# Altium PCB STM32F7_CoreBoard.PcbDoc (part 5 of 8) (continued)
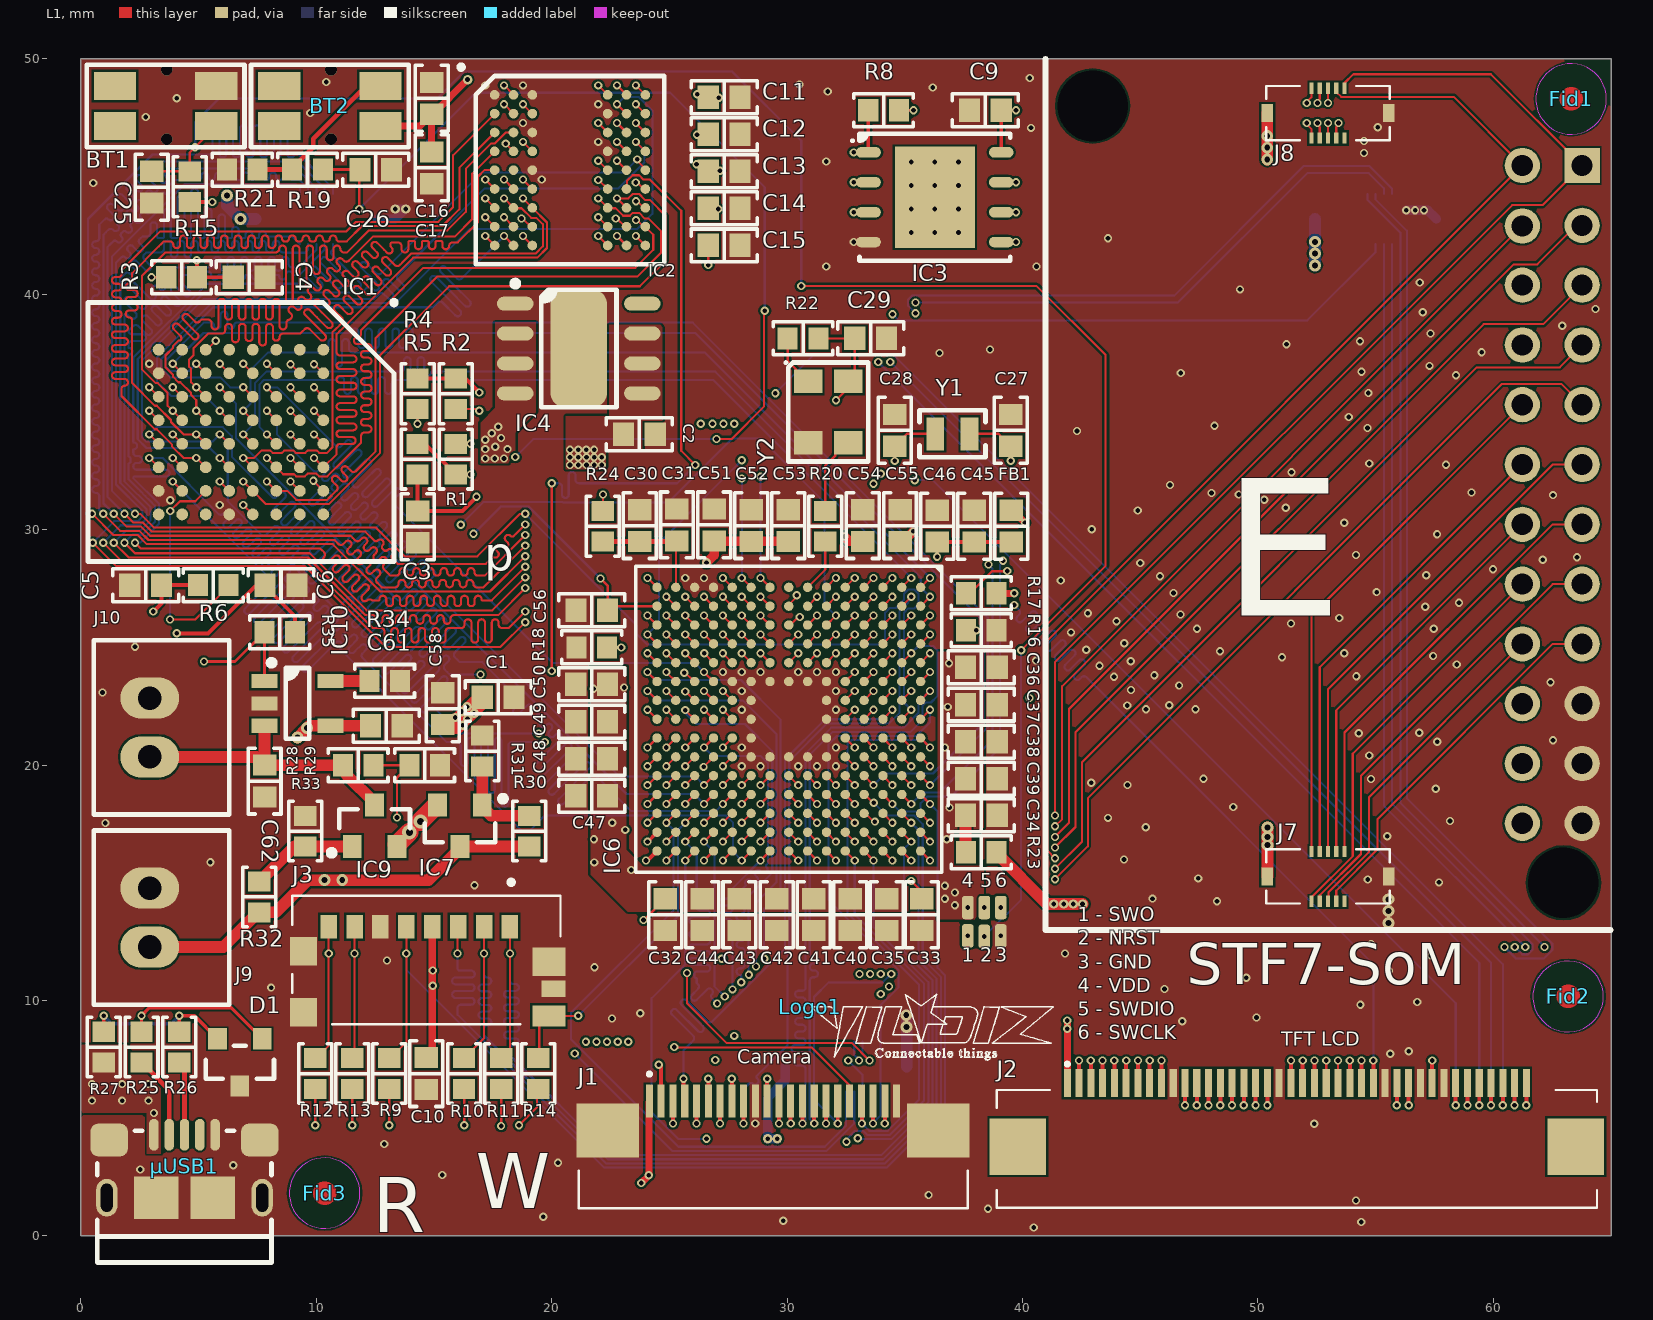
[diagram p0: L1 view]
## Nets (pads, with @x,y where several pads share a name; then routed paths per layer and width w, separated by ;. In a path a pad name is that pad's centre, name@x,y a point inside that pad or via, vN(x,y) a via of type N, cw(c..) or ccw(c..) an arc to the next point about the centre after c; other vN are vias at no path point) (continued)
FMC_NWAIT: IC1.A4 IC6.B11 R2.1 | length 59.3
  L1 w0.089: v1(9.9,35.05) IC1.A4@10.3,34.65 ; R2.1@15.925,35.125 16.85,35.125 v1(16.925,35.05) ; IC6.B11@34.87,19.552 v1(35.27,19.152)
  L3 w0.089: v1(9.9,35.05) 10.044,35.05 10.189,35.05 cw(c10.189,34.906) 10.333,34.906 10.333,34.564 ccw(c10.478,34.564) 10.478,34.419 ccw(c10.478,34.564) 10.622,34.564 10.622,35.05 10.622,35.911 cw(c10.767,35.911) 10.767,36.056 cw(c10.767,35.911) 10.911,35.911 10.911,35.05 10.911,34.564 ccw(c11.056,34.564) 11.056,34.419 ccw(c11.056,34.564) 11.2,34.564 11.2,35.05 11.2,35.911 cw(c11.344,35.911) 11.344,36.056 cw(c11.344,35.911) 11.489,35.911 11.489,35.05 11.489,34.564 ccw(c11.633,34.564) 11.633,34.419 ccw(c11.633,34.564) 11.778,34.564 11.778,35.05 11.778,35.911 cw(c11.922,35.911) 11.922,36.056 cw(c11.922,35.911) 12.067,35.911 12.067,35.05 12.067,34.564 ccw(c12.211,34.564) 12.211,34.419 ccw(c12.211,34.564) 12.356,34.564 12.356,35.05 12.356,35.911 cw(c12.5,35.911) 12.5,36.056 cw(c12.5,35.911) 12.645,35.911 12.645,35.05 12.645,34.564 ccw(c12.789,34.564) 12.789,34.419 ccw(c12.789,34.564) 12.933,34.564 12.933,35.05 12.933,35.911 cw(c13.078,35.911) 13.078,36.056 cw(c13.078,35.911) 13.222,35.911 13.222,35.05 13.222,34.564 ccw(c13.367,34.564) 13.367,34.419 ccw(c13.367,34.564) 13.511,34.564 13.511,35.05 13.511,35.911 cw(c13.656,35.911) 13.656,36.056 cw(c13.656,35.911) 13.8,35.911 13.8,35.194 ccw(c13.945,35.194) 13.945,35.05 14.015,35.05 27.888,35.05 28.561,34.376 28.561,26.226 28.926,25.861 29.339,25.861 30,25.2 30,22.193 30.56,21.633 33.492,21.633 33.979,21.146 33.979,20.671 34.212,20.438 34.627,20.438 34.82,20.246 34.82,19.602 v1(35.27,19.152)
FMC_NWE: IC1.A5 IC6.C10 R1.1 | length 59.2
  L1 w0.089: v1(9.9,34.05) IC1.A5@10.3,33.65 ; IC6.C10@34.07,20.352 v1(34.47,19.952)
  L1 w0.1: R1.1@15.927,33.652 v1(16.55,33.652)
  L3 w0.089: v1(9.9,34.05) 9.926,34.024 16.178,34.024 v1(16.55,33.652) 17.748,34.85 17.892,34.85 18.036,34.85 cw(c18.036,34.706) 18.181,34.706 18.181,33.914 ccw(c18.325,33.914) 18.325,33.769 ccw(c18.325,33.914) 18.47,33.914 18.47,34.706 cw(c18.614,34.706) 18.614,34.85 cw(c18.614,34.706) 18.759,34.706 18.759,33.914 ccw(c18.903,33.914) 18.903,33.769 ccw(c18.903,33.914) 19.048,33.914 19.048,34.706 cw(c19.192,34.706) 19.192,34.85 cw(c19.192,34.706) 19.337,34.706 19.337,33.914 ccw(c19.481,33.914) 19.481,33.769 ccw(c19.481,33.914) 19.625,33.914 19.625,34.706 cw(c19.77,34.706) 19.77,34.85 cw(c19.77,34.706) 19.914,34.706 19.914,33.914 ccw(c20.059,33.914) 20.059,33.769 ccw(c20.059,33.914) 20.203,33.914 20.203,34.706 cw(c20.348,34.706) 20.348,34.85 cw(c20.348,34.706) 20.492,34.706 20.492,33.914 ccw(c20.637,33.914) 20.637,33.769 ccw(c20.637,33.914) 20.781,33.914 20.781,34.706 cw(c20.925,34.706) 20.925,34.85 cw(c20.925,34.706) 21.07,34.706 21.07,33.914 ccw(c21.214,33.914) 21.214,33.769 ccw(c21.214,33.914) 21.359,33.914 21.359,34.706 cw(c21.503,34.706) 21.503,34.85 cw(c21.503,34.706) 21.648,34.706 21.648,33.914 ccw(c21.792,33.914) 21.792,33.769 ccw(c21.792,33.914) 21.937,33.914 21.937,34.706 cw(c22.081,34.706) 22.081,34.85 cw(c22.081,34.706) 22.226,34.706 22.226,33.914 ccw(c22.37,33.914) 22.37,33.769 ccw(c22.37,33.914) 22.514,33.914 22.514,34.706 cw(c22.659,34.706) 22.659,34.85 cw(c22.659,34.706) 22.803,34.706 22.803,33.914 ccw(c22.948,33.914) 22.948,33.769 ccw(c22.948,33.914) 23.092,33.914 23.092,34.706 cw(c23.237,34.706) 23.237,34.85 cw(c23.237,34.706) 23.381,34.706 23.381,33.914 ccw(c23.526,33.914) 23.526,33.769 ccw(c23.526,33.914) 23.67,33.914 23.67,34.706 cw(c23.814,34.706) 23.814,34.85 23.925,34.85 27.836,34.85 28.383,34.303 28.383,25.604 28.742,25.244 29.159,25.244 29.822,24.582 29.822,21.559 31.121,20.261 34.162,20.261 v1(34.47,19.952)
FMC_SDCKE0: IC4.F3 IC6.K4 | length 39.8
  L1 w0.089: v1(18.775,44.875) IC4.F3@19.175,44.475 ; v1(28.07,25.553) IC6.K4@28.47,25.153
  L4 w0.089: v1(18.775,44.875) 19.883,43.767 22.883,43.767 23.15,43.5 23.15,43.05 23.356,42.844 23.79,42.844 24.175,42.459 24.175,42.325 ccw(c24.319,42.325) 24.319,42.181 24.578,42.181 cw(c24.578,42.036) 24.722,42.036 cw(c24.578,42.036) 24.578,41.892 24.175,41.892 23.514,41.892 ccw(c23.514,41.747) 23.369,41.747 ccw(c23.514,41.747) 23.514,41.603 24.031,41.603 cw(c24.031,41.458) 24.175,41.458 cw(c24.031,41.458) 24.031,41.314 23.514,41.314 ccw(c23.514,41.169) 23.369,41.169 ccw(c23.514,41.169) 23.514,41.025 24.031,41.025 cw(c24.031,40.881) 24.175,40.881 cw(c24.031,40.881) 24.031,40.736 23.514,40.736 ccw(c23.514,40.592) 23.369,40.592 ccw(c23.514,40.592) 23.514,40.447 24.031,40.447 cw(c24.031,40.303) 24.175,40.303 cw(c24.031,40.303) 24.031,40.158 23.514,40.158 ccw(c23.514,40.014) 23.369,40.014 ccw(c23.514,40.014) 23.514,39.869 24.031,39.869 cw(c24.031,39.725) 24.175,39.725 cw(c24.031,39.725) 24.031,39.58 23.514,39.58 ccw(c23.514,39.436) 23.369,39.436 ccw(c23.514,39.436) 23.514,39.292 24.031,39.292 cw(c24.031,39.147) 24.175,39.147 cw(c24.031,39.147) 24.031,39.003 23.514,39.003 ccw(c23.514,38.858) 23.369,38.858 ccw(c23.514,38.858) 23.514,38.714 24.031,38.714 cw(c24.031,38.569) 24.175,38.569 cw(c24.031,38.569) 24.031,38.425 23.514,38.425 ccw(c23.514,38.28) 23.369,38.28 ccw(c23.514,38.28) 23.514,38.136 24.031,38.136 cw(c24.031,37.992) 24.175,37.992 cw(c24.031,37.992) 24.031,37.847 23.514,37.847 ccw(c23.514,37.703) 23.369,37.703 ccw(c23.514,37.703) 23.514,37.558 24.031,37.558 cw(c24.031,37.414) 24.175,37.414 cw(c24.031,37.414) 24.031,37.269 23.514,37.269 ccw(c23.514,37.125) 23.369,37.125 ccw(c23.514,37.125) 23.514,36.98 24.031,36.98 cw(c24.031,36.836) 24.175,36.836 24.175,36.691 24.175,36.403 24.175,36.3 24.175,36.156 24.175,36 24.175,32.284 28.379,28.081 28.379,25.861 v1(28.07,25.553)
FMC_SDCLK: IC4.F2 IC6.H14 | length 39.7
  L1 w0.089: v1(17.975,44.875) IC4.F2@18.375,44.475 ; IC6.H14@30.07,17.152 v1(30.47,16.752)
  L4 w0.089: v1(17.975,44.875) 18.283,45.183 23.602,45.183 23.704,45.081 23.908,44.877 ccw(c23.976,44.81) 23.908,44.742 23.978,44.673 ccw(c24.045,44.74) 24.113,44.673 24.524,45.084 cw(c24.626,44.982) 24.728,45.084 cw(c24.626,44.982) 24.728,44.88 24.419,44.571 ccw(c24.521,44.468) 24.419,44.366 24.521,44.264 24.543,44.243 26.031,42.754 26.031,41.789 26.023,41.781 26.023,41.3 26.031,41.291 26.031,41.212 26.023,41.212 26.023,40.722 26.031,40.714 26.031,40.634 26.023,40.634 26.023,40.144 26.031,40.136 26.031,40.056 26.023,40.056 26.023,39.566 26.031,39.558 26.031,39.478 26.023,39.478 26.023,38.9 26.031,38.9 26.031,38.323 26.023,38.323 26.023,37.833 26.031,37.825 26.031,37.745 26.023,37.745 26.023,37.255 26.031,37.247 26.031,37.167 26.023,37.167 26.023,36.677 26.031,36.669 26.031,36.589 26.023,36.589 26.023,36.099 26.031,36.091 26.031,36.011 26.023,36.011 26.023,35.911 26.017,35.904 26.017,33.307 29.839,29.485 29.839,17.383 v1(30.47,16.752)
FMC_SDNCAS: IC4.F7 IC6.B7 | length 39.8
  L1 w0.089: v1(21.976,44.852) 21.998,44.852 IC4.F7@22.375,44.475 ; IC6.B7@34.87,22.752 v1(35.27,23.152)
  L3 w0.089: v1(21.976,44.852) 22.307,45.183 24.817,45.183 24.919,45.081 25.021,44.979 cw(c24.919,44.877) 25.021,44.775 24.982,44.736 ccw(c25.084,44.633) 24.982,44.531 ccw(c25.084,44.633) 25.186,44.531 25.327,44.673 25.331,44.677 cw(c25.433,44.574) 25.536,44.677 cw(c25.433,44.574) 25.536,44.472 25.532,44.468 25.39,44.327 ccw(c25.492,44.225) 25.39,44.123 ccw(c25.492,44.225) 25.595,44.123 25.736,44.264 25.74,44.268 cw(c25.842,44.166) 25.944,44.268 cw(c25.842,44.166) 25.944,44.064 25.94,44.06 25.799,43.918 ccw(c25.901,43.816) 25.799,43.714 ccw(c25.901,43.816) 26.003,43.714 26.144,43.856 26.148,43.859 cw(c26.251,43.757) 26.353,43.859 cw(c26.251,43.757) 26.353,43.655 26.349,43.651 26.207,43.51 ccw(c26.31,43.408) 26.207,43.306 ccw(c26.31,43.408) 26.412,43.306 26.553,43.447 26.557,43.451 cw(c26.659,43.349) 26.761,43.451 cw(c26.659,43.349) 26.761,43.247 26.757,43.243 26.616,43.101 ccw(c26.718,42.999) 26.616,42.897 ccw(c26.718,42.999) 26.82,42.897 26.962,43.038 26.966,43.042 cw(c27.068,42.94) 27.17,43.042 cw(c27.068,42.94) 27.17,42.838 27.166,42.834 27.024,42.693 ccw(c27.127,42.591) 27.024,42.488 ccw(c27.127,42.591) 27.229,42.488 27.268,42.528 cw(c27.37,42.426) 27.472,42.528 27.487,42.513 39.792,30.208 39.792,30.172 40.325,29.639 40.325,26.497 37.38,23.552 35.67,23.552 v1(35.27,23.152)
FMC_SDNE0: IC4.G9 IC6.J4 | length 39.8
  L1 w0.089: v1(23.576,43.952) 23.637,43.952 23.914,43.675 IC4.G9@23.975,43.675 ; v1(28.87,25.553) IC6.J4@29.27,25.153
  L4 w0.089: v1(23.576,43.952) 23.789,43.739 23.918,43.61 ccw(c23.974,43.554) 23.918,43.498 24.01,43.406 ccw(c24.066,43.462) 24.122,43.406 24.512,43.796 cw(c24.615,43.694) 24.717,43.796 cw(c24.615,43.694) 24.717,43.592 24.326,43.202 ccw(c24.383,43.146) 24.326,43.089 24.418,42.998 ccw(c24.474,43.054) 24.531,42.998 24.921,43.388 cw(c25.023,43.286) 25.125,43.388 cw(c25.023,43.286) 25.125,43.184 24.735,42.793 ccw(c24.791,42.737) 24.735,42.681 24.827,42.589 ccw(c24.883,42.645) 24.939,42.589 25.33,42.979 cw(c25.432,42.877) 25.534,42.979 cw(c25.432,42.877) 25.534,42.775 25.246,42.487 ccw(c25.348,42.385) 25.246,42.283 25.348,42.18 25.45,42.078 ccw(c25.594,42.078) 25.594,41.934 25.694,41.934 cw(c25.694,41.789) 25.839,41.789 cw(c25.694,41.789) 25.694,41.645 25.45,41.645 25.222,41.645 ccw(c25.222,41.5) 25.078,41.5 ccw(c25.222,41.5) 25.222,41.356 25.45,41.356 25.694,41.356 cw(c25.694,41.212) 25.839,41.212 cw(c25.694,41.212) 25.694,41.067 25.45,41.067 25.222,41.067 ccw(c25.222,40.923) 25.078,40.923 ccw(c25.222,40.923) 25.222,40.778 25.45,40.778 25.694,40.778 cw(c25.694,40.634) 25.839,40.634 cw(c25.694,40.634) 25.694,40.489 25.45,40.489 25.222,40.489 ccw(c25.222,40.345) 25.078,40.345 ccw(c25.222,40.345) 25.222,40.2 25.45,40.2 25.694,40.2 cw(c25.694,40.056) 25.839,40.056 cw(c25.694,40.056) 25.694,39.912 25.45,39.912 25.222,39.912 ccw(c25.222,39.767) 25.078,39.767 ccw(c25.222,39.767) 25.222,39.623 25.45,39.623 25.694,39.623 cw(c25.694,39.478) 25.839,39.478 cw(c25.694,39.478) 25.694,39.334 25.45,39.334 25.222,39.334 ccw(c25.222,39.189) 25.078,39.189 ccw(c25.222,39.189) 25.222,39.045 25.45,39.045 25.694,39.045 cw(c25.694,38.9) 25.839,38.9 cw(c25.694,38.9) 25.694,38.756 25.45,38.756 25.222,38.756 ccw(c25.222,38.612) 25.078,38.612 ccw(c25.222,38.612) 25.222,38.467 25.45,38.467 25.694,38.467 cw(c25.694,38.323) 25.839,38.323 cw(c25.694,38.323) 25.694,38.178 25.45,38.178 25.222,38.178 ccw(c25.222,38.034) 25.078,38.034 ccw(c25.222,38.034) 25.222,37.889 25.45,37.889 25.694,37.889 cw(c25.694,37.745) 25.839,37.745 cw(c25.694,37.745) 25.694,37.6 25.45,37.6 25.222,37.6 ccw(c25.222,37.456) 25.078,37.456 ccw(c25.222,37.456) 25.222,37.311 25.45,37.311 25.694,37.311 cw(c25.694,37.167) 25.839,37.167 cw(c25.694,37.167) 25.694,37.023 25.45,37.023 25.222,37.023 ccw(c25.222,36.878) 25.078,36.878 ccw(c25.222,36.878) 25.222,36.734 25.45,36.734 25.694,36.734 cw(c25.694,36.589) 25.839,36.589 cw(c25.694,36.589) 25.694,36.445 25.45,36.445 25.222,36.445 ccw(c25.222,36.3) 25.078,36.3 ccw(c25.222,36.3) 25.222,36.156 25.45,36.156 25.694,36.156 cw(c25.694,36.011) 25.839,36.011 cw(c25.694,36.011) 25.694,35.867 25.45,35.867 25.222,35.867 ccw(c25.222,35.723) 25.078,35.723 ccw(c25.222,35.723) 25.222,35.578 25.306,35.578 cw(c25.306,35.434) 25.45,35.434 25.45,35.35 25.45,32.897 29.179,29.168 29.179,25.861 v1(28.87,25.553)
FMC_SDNRAS: IC4.F8 IC6.P8 | length 36.8
  L1 w0.089: v1@20,24.002 v1(20,31.975) ; IC4.F8@23.175,44.475 23.192,44.492 23.192,44.813 23.436,45.058 23.714,45.058 23.892,44.88 24.17,44.88 25.5,43.55 25.5,33.35 v1(26.1,32.75) ; v1(24.87,22.352) IC6.P8@25.27,21.952
  L3 w0.089: v1(20.001,24.001) 20.025,24.001 21.273,22.752 24.47,22.752 v1(24.87,22.352)
  L6 w0.089: v1(20,31.975) 20.144,31.975 20.289,31.975 cw(c20.289,31.831) 20.433,31.831 20.433,31.494 ccw(c20.578,31.494) 20.578,31.35 ccw(c20.578,31.494) 20.722,31.494 20.722,31.975 20.722,32.307 cw(c20.867,32.307) 20.867,32.451 cw(c20.867,32.307) 21.011,32.307 21.011,32.119 ccw(c21.156,32.119) 21.156,31.975 21.25,31.975 25.325,31.975 v1(26.1,32.75)
FMC_SDNWE: IC4.F9 IC6.M2 | length 39.9
  L1 w0.089: v1(23.564,44.75) 23.632,44.75 23.907,44.475 IC4.F9@23.975,44.475 ; v1(26.47,27.153) IC6.M2@26.87,26.753
  L4 w0.089: v1(23.564,44.75) 23.564,44.74 23.15,44.326 23.15,43.775 23.281,43.644 23.521,43.644 24.9,42.264 24.9,42.248 24.9,41.959 cw(c24.9,41.865) 24.994,41.865 24.994,41.763 cw(c24.9,41.763) 24.9,41.67 24.492,41.67 ccw(c24.492,41.525) 24.348,41.525 ccw(c24.492,41.525) 24.492,41.381 24.756,41.381 cw(c24.756,41.236) 24.9,41.236 cw(c24.756,41.236) 24.756,41.092 24.492,41.092 ccw(c24.492,40.947) 24.348,40.947 ccw(c24.492,40.947) 24.492,40.803 24.756,40.803 cw(c24.756,40.659) 24.9,40.659 cw(c24.756,40.659) 24.756,40.514 24.492,40.514 ccw(c24.492,40.37) 24.348,40.37 ccw(c24.492,40.37) 24.492,40.225 24.756,40.225 cw(c24.756,40.081) 24.9,40.081 cw(c24.756,40.081) 24.756,39.936 24.492,39.936 ccw(c24.492,39.792) 24.348,39.792 ccw(c24.492,39.792) 24.492,39.647 24.756,39.647 cw(c24.756,39.503) 24.9,39.503 cw(c24.756,39.503) 24.756,39.359 24.492,39.359 ccw(c24.492,39.214) 24.348,39.214 ccw(c24.492,39.214) 24.492,39.07 24.756,39.07 cw(c24.756,38.925) 24.9,38.925 cw(c24.756,38.925) 24.756,38.781 24.492,38.781 ccw(c24.492,38.636) 24.348,38.636 ccw(c24.492,38.636) 24.492,38.492 24.756,38.492 cw(c24.756,38.347) 24.9,38.347 cw(c24.756,38.347) 24.756,38.203 24.492,38.203 ccw(c24.492,38.058) 24.348,38.058 ccw(c24.492,38.058) 24.492,37.914 24.756,37.914 cw(c24.756,37.77) 24.9,37.77 cw(c24.756,37.77) 24.756,37.625 24.492,37.625 ccw(c24.492,37.481) 24.348,37.481 ccw(c24.492,37.481) 24.492,37.336 24.756,37.336 cw(c24.756,37.192) 24.9,37.192 cw(c24.756,37.192) 24.756,37.047 24.492,37.047 ccw(c24.492,36.903) 24.348,36.903 ccw(c24.492,36.903) 24.492,36.758 24.756,36.758 cw(c24.756,36.614) 24.9,36.614 cw(c24.756,36.614) 24.756,36.47 24.497,36.47 ccw(c24.497,36.325) 24.353,36.325 ccw(c24.497,36.325) 24.497,36.181 24.756,36.181 cw(c24.756,36.036) 24.9,36.036 cw(c24.756,36.036) 24.756,35.892 24.497,35.892 ccw(c24.497,35.747) 24.353,35.747 ccw(c24.497,35.747) 24.497,35.603 24.756,35.603 cw(c24.756,35.458) 24.9,35.458 cw(c24.756,35.458) 24.756,35.314 24.497,35.314 ccw(c24.497,35.169) 24.353,35.169 ccw(c24.497,35.169) 24.497,35.025 24.9,35.025 25.128,35.025 cw(c25.128,34.881) 25.272,34.881 cw(c25.128,34.881) 25.128,34.736 24.9,34.736 24.497,34.736 ccw(c24.497,34.592) 24.353,34.592 ccw(c24.497,34.592) 24.497,34.447 24.9,34.447 25.128,34.447 cw(c25.128,34.303) 25.272,34.303 cw(c25.128,34.303) 25.128,34.158 24.9,34.158 24.497,34.158 ccw(c24.497,34.014) 24.353,34.014 ccw(c24.497,34.014) 24.497,33.869 24.756,33.869 cw(c24.756,33.725) 24.9,33.725 24.9,32.471 28.562,28.809 28.562,25.608 28.198,25.244 27.942,25.244 27.756,25.431 27.756,26.303 27.398,26.661 26.962,26.661 v1(26.47,27.153)
G0: IC6.J12 J2.18 | length 47.1
  L1 w0.089: v1(28.87,18.352) IC6.J12@29.27,18.752
  L1 w0.169: v1(50.4,5.55) J2.18@50.4,6.5
  L3 w0.089: v1(28.87,18.352) 29.179,18.044 29.179,13.577 30.317,12.439 34.061,12.439 35.089,11.411 35.089,10.425 33.986,9.322 33.986,6.49 33.866,6.37 33.67,6.37 33.6,6.44 33.6,6.66 33.52,6.74 33.38,6.74 33.31,6.67 33.31,5.477 33.258,5.425 33.077,5.425 32.992,5.509 32.992,6.678 32.92,6.75 32.732,6.75 32.68,6.698 32.68,5.51 32.57,5.4 32.4,5.4 32.3,5.5 32.3,6.67 32.22,6.75 32.01,6.75 31.9,6.64 31.9,5.325 32.125,5.1 34.436,5.1 34.643,4.893 34.643,4.56 35.028,4.175 49.025,4.175 v1(50.4,5.55)
G1: IC6.H12 J2.17 | length 46.9
  L1 w0.089: IC6.H12@30.07,18.752 v1(30.47,18.352)
  L1 w0.169: v1(49.9,5.55) J2.17@49.9,6.5
  L3 w0.089: v1(30.47,18.352) 29.356,17.238 29.356,13.914 29.458,13.812 29.633,13.637 cw(c29.604,13.607) 29.633,13.578 ccw(c29.736,13.476) 29.633,13.374 ccw(c29.736,13.476) 29.838,13.374 29.867,13.403 29.934,13.47 cw(c30.036,13.368) 30.138,13.47 cw(c30.036,13.368) 30.138,13.266 30.071,13.199 30.042,13.169 ccw(c30.144,13.067) 30.042,12.965 ccw(c30.144,13.067) 30.246,12.965 30.276,12.995 30.342,13.061 cw(c30.444,12.959) 30.547,13.061 cw(c30.444,12.959) 30.547,12.857 ccw(c30.613,12.79) 30.547,12.724 30.653,12.617 30.725,12.617 30.728,12.617 ccw(c30.728,12.758) 30.869,12.758 cw(c31.014,12.758) 31.014,12.902 cw(c31.014,12.758) 31.158,12.758 ccw(c31.299,12.758) 31.299,12.617 31.303,12.617 ccw(c31.303,12.761) 31.447,12.761 cw(c31.592,12.761) 31.592,12.905 cw(c31.592,12.761) 31.736,12.761 ccw(c31.88,12.761) 31.88,12.617 ccw(c31.881,12.761) 32.025,12.761 cw(c32.169,12.761) 32.169,12.905 cw(c32.169,12.761) 32.314,12.761 32.314,12.728 ccw(c32.425,12.728) 32.425,12.617 33.15,12.617 33.271,12.617 ccw(c33.271,12.758) 33.412,12.758 cw(c33.557,12.758) 33.557,12.902 cw(c33.557,12.758) 33.701,12.758 ccw(c33.842,12.758) 33.842,12.617 33.99,12.617 34.135,12.617 35.275,11.476 35.275,10.36 34.18,9.265 34.18,9.12 34.18,8.831 34.18,8.687 ccw(c34.324,8.687) 34.324,8.542 34.761,8.542 cw(c34.761,8.398) 34.906,8.398 cw(c34.761,8.398) 34.761,8.253 34.324,8.253 ccw(c34.324,8.109) 34.18,8.109 ccw(c34.324,8.109) 34.324,7.965 34.761,7.965 cw(c34.761,7.82) 34.906,7.82 cw(c34.761,7.82) 34.761,7.676 34.324,7.676 ccw(c34.324,7.531) 34.18,7.531 ccw(c34.324,7.531) 34.324,7.387 34.761,7.387 cw(c34.761,7.242) 34.906,7.242 cw(c34.761,7.242) 34.761,7.098 34.324,7.098 ccw(c34.324,6.953) 34.18,6.953 ccw(c34.324,6.953) 34.324,6.809 34.761,6.809 cw(c34.761,6.664) 34.906,6.664 cw(c34.761,6.664) 34.761,6.52 34.324,6.52 ccw(c34.324,6.376) 34.18,6.376 34.18,6.231 34.18,6.16 34.18,5.98 34.2,5.96 34.302,5.858 34.404,5.756 cw(c34.302,5.654) 34.404,5.551 34.375,5.522 ccw(c34.477,5.42) 34.375,5.317 ccw(c34.477,5.42) 34.579,5.317 34.711,5.449 34.971,5.709 cw(c35.073,5.607) 35.175,5.709 cw(c35.073,5.607) 35.175,5.505 34.915,5.245 34.822,5.152 ccw(c34.924,5.05) 34.822,4.948 ccw(c34.924,5.05) 35.026,4.948 35.119,5.041 35.379,5.301 cw(c35.481,5.199) 35.583,5.301 cw(c35.481,5.199) 35.583,5.096 35.324,4.836 35.086,4.599 ccw(c35.188,4.497) 35.086,4.395 ccw(c35.188,4.497) 35.291,4.395 35.426,4.53 cw(c35.528,4.428) 35.63,4.53 35.64,4.52 35.807,4.353 48.703,4.353 v1(49.9,5.55)
G2: IC6.E12 J2.16 | length 47
  L1 w0.089: IC6.E12@32.47,18.752 v1(32.87,18.352)
  L1 w0.169: v1(49.4,5.55) J2.16@49.4,6.5
  L3 w0.089: v1(32.87,18.352) 32.562,18.044 30.526,18.044 29.534,17.052 29.534,14.325 30.451,13.408 30.553,13.306 30.757,13.102 30.779,13.08 30.924,13.08 31.068,13.08 ccw(c31.068,13.224) 31.213,13.224 31.213,13.601 cw(c31.357,13.601) 31.357,13.746 cw(c31.357,13.601) 31.502,13.601 31.502,13.224 ccw(c31.646,13.224) 31.646,13.08 ccw(c31.646,13.224) 31.79,13.224 31.79,13.601 cw(c31.935,13.601) 31.935,13.746 cw(c31.935,13.601) 32.079,13.601 32.079,13.224 ccw(c32.224,13.224) 32.224,13.08 ccw(c32.224,13.224) 32.368,13.224 32.368,13.601 cw(c32.513,13.601) 32.513,13.746 cw(c32.513,13.601) 32.657,13.601 32.657,13.08 32.657,12.999 ccw(c32.802,12.999) 32.802,12.855 ccw(c32.802,12.999) 32.946,12.999 32.946,13.08 32.946,13.601 cw(c33.09,13.601) 33.09,13.746 cw(c33.09,13.601) 33.235,13.601 33.235,13.224 ccw(c33.379,13.224) 33.379,13.08 33.923,13.08 35.458,11.545 35.458,11.415 35.458,11.126 35.458,10.95 ccw(c35.571,10.95) 35.571,10.837 cw(c35.571,10.692) 35.716,10.692 cw(c35.571,10.692) 35.571,10.548 ccw(c35.571,10.435) 35.458,10.435 35.458,10.372 ccw(c35.571,10.372) 35.571,10.259 cw(c35.571,10.115) 35.716,10.115 cw(c35.571,10.115) 35.571,9.97 35.458,9.97 35.387,9.97 ccw(c35.387,9.826) 35.242,9.826 ccw(c35.387,9.826) 35.387,9.681 35.458,9.681 35.571,9.681 cw(c35.571,9.537) 35.716,9.537 cw(c35.571,9.537) 35.571,9.392 ccw(c35.571,9.28) 35.458,9.28 35.458,9.216 ccw(c35.571,9.216) 35.571,9.103 cw(c35.571,8.959) 35.716,8.959 cw(c35.571,8.959) 35.571,8.815 ccw(c35.571,8.702) 35.458,8.702 35.458,8.638 ccw(c35.571,8.638) 35.571,8.526 cw(c35.571,8.381) 35.716,8.381 cw(c35.571,8.381) 35.571,8.237 35.458,8.237 35.14,8.237 ccw(c35.14,8.092) 34.996,8.092 ccw(c35.14,8.092) 35.14,7.948 35.458,7.948 35.571,7.948 cw(c35.571,7.803) 35.716,7.803 cw(c35.571,7.803) 35.571,7.659 35.458,7.659 35.14,7.659 ccw(c35.14,7.514) 34.996,7.514 ccw(c35.14,7.514) 35.14,7.37 35.458,7.37 35.571,7.37 cw(c35.571,7.226) 35.716,7.226 cw(c35.571,7.226) 35.571,7.081 35.458,7.081 35.14,7.081 ccw(c35.14,6.937) 34.996,6.937 ccw(c35.14,6.937) 35.14,6.792 35.458,6.792 35.571,6.792 cw(c35.571,6.648) 35.716,6.648 cw(c35.571,6.648) 35.571,6.503 35.458,6.503 35.114,6.503 ccw(c35.114,6.359) 34.969,6.359 ccw(c35.114,6.359) 35.114,6.214 35.314,6.214 cw(c35.314,6.07) 35.458,6.07 35.458,5.698 36.626,4.53 48.38,4.53 v1(49.4,5.55)
G3: IC6.H13 J2.15 | length 46.5
  L1 w0.089: IC6.H13@30.07,17.952 v1(30.47,17.552)
  L1 w0.169: v1(48.9,5.55) J2.15@48.9,6.5
  L3 w0.089: v1(30.47,17.552) 29.984,17.066 29.984,15.75 30.086,15.648 30.188,15.546 cw(c30.086,15.444) 30.188,15.342 29.754,14.908 ccw(c29.856,14.806) 29.754,14.703 ccw(c29.856,14.806) 29.958,14.703 30.393,15.137 cw(c30.495,15.035) 30.597,15.137 cw(c30.495,15.035) 30.597,14.933 29.989,14.326 ccw(c30.091,14.223) 29.989,14.121 ccw(c30.091,14.223) 30.194,14.121 30.801,14.729 cw(c30.903,14.627) 31.005,14.729 31.108,14.627 31.123,14.611 31.19,14.611 ccw(c31.19,14.756) 31.334,14.756 31.334,14.774 cw(c31.479,14.774) 31.479,14.919 cw(c31.479,14.774) 31.623,14.774 31.623,14.611 31.623,14.064 ccw(c31.768,14.064) 31.768,13.919 ccw(c31.768,14.064) 31.912,14.064 31.912,14.611 31.912,14.774 cw(c32.057,14.774) 32.057,14.919 cw(c32.057,14.774) 32.201,14.774 32.201,14.756 ccw(c32.346,14.756) 32.346,14.611 32.49,14.611 32.643,14.611 35.912,11.342 35.912,11.198 35.912,10.909 35.912,10.764 ccw(c36.057,10.764) 36.057,10.62 36.438,10.62 cw(c36.438,10.475) 36.582,10.475 cw(c36.438,10.475) 36.438,10.331 36.057,10.331 ccw(c36.057,10.186) 35.912,10.186 ccw(c36.057,10.186) 36.057,10.042 36.438,10.042 cw(c36.438,9.898) 36.582,9.898 cw(c36.438,9.898) 36.438,9.753 36.057,9.753 ccw(c36.057,9.609) 35.912,9.609 ccw(c36.057,9.609) 36.057,9.464 36.438,9.464 cw(c36.438,9.32) 36.582,9.32 cw(c36.438,9.32) 36.438,9.175 36.057,9.175 ccw(c36.057,9.031) 35.912,9.031 ccw(c36.057,9.031) 36.057,8.886 36.438,8.886 cw(c36.438,8.742) 36.582,8.742 cw(c36.438,8.742) 36.438,8.598 36.057,8.598 ccw(c36.057,8.453) 35.912,8.453 ccw(c36.057,8.453) 36.057,8.309 36.438,8.309 cw(c36.438,8.164) 36.582,8.164 cw(c36.438,8.164) 36.438,8.02 36.057,8.02 ccw(c36.057,7.875) 35.912,7.875 ccw(c36.057,7.875) 36.057,7.731 36.438,7.731 cw(c36.438,7.586) 36.582,7.586 cw(c36.438,7.586) 36.438,7.442 36.057,7.442 ccw(c36.057,7.297) 35.912,7.297 ccw(c36.057,7.297) 36.057,7.153 36.438,7.153 cw(c36.438,7.009) 36.582,7.009 cw(c36.438,7.009) 36.438,6.864 36.057,6.864 ccw(c36.057,6.72) 35.912,6.72 35.912,6.575 35.912,6.286 35.912,6.118 36.014,6.016 36.117,5.913 ccw(c36.219,6.016) 36.321,5.913 36.536,6.128 cw(c36.638,6.026) 36.74,6.128 cw(c36.638,6.026) 36.74,5.924 36.423,5.607 36.214,5.398 ccw(c36.316,5.296) 36.214,5.194 ccw(c36.316,5.296) 36.418,5.194 36.627,5.403 36.944,5.72 cw(c37.047,5.618) 37.149,5.72 cw(c37.047,5.618) 37.149,5.516 36.934,5.301 ccw(c37.036,5.198) 36.934,5.096 36.985,5.045 37.322,4.708 48.058,4.708 v1(48.9,5.55)
G4: IC6.D13 J2.14 | length 46.9
  L1 w0.089: IC6.D13@33.27,17.952 33.323,17.952 33.674,17.601 v1(33.727,17.601)
  L1 w0.169: v1(48.4,5.55) J2.14@48.4,6.5
  L3 w0.089: v1(33.727,17.601) 33.467,17.86 31.01,17.86 30.84,17.69 30.84,17.365 30.658,17.183 30.352,17.183 30.162,16.992 30.162,15.824 30.889,15.096 32.441,15.096 32.543,14.994 32.747,14.79 32.912,14.625 ccw(c32.951,14.664) 32.99,14.625 cw(c33.092,14.523) 33.195,14.625 cw(c33.092,14.523) 33.195,14.42 ccw(c33.234,14.381) 33.195,14.342 33.321,14.216 ccw(c33.36,14.255) 33.399,14.216 cw(c33.501,14.114) 33.603,14.216 cw(c33.501,14.114) 33.603,14.012 ccw(c33.642,13.973) 33.603,13.934 33.729,13.808 ccw(c33.768,13.847) 33.807,13.808 cw(c33.91,13.705) 34.012,13.808 cw(c33.91,13.705) 34.012,13.603 ccw(c34.051,13.564) 34.012,13.525 34.138,13.399 ccw(c34.177,13.438) 34.216,13.399 cw(c34.318,13.297) 34.42,13.399 cw(c34.318,13.297) 34.42,13.195 ccw(c34.459,13.156) 34.42,13.117 34.546,12.99 ccw(c34.586,13.029) 34.625,12.99 cw(c34.727,12.888) 34.829,12.99 cw(c34.727,12.888) 34.829,12.786 ccw(c34.868,12.747) 34.829,12.708 34.955,12.582 ccw(c34.994,12.621) 35.033,12.582 cw(c35.135,12.48) 35.237,12.582 cw(c35.135,12.48) 35.237,12.378 ccw(c35.276,12.339) 35.237,12.3 35.364,12.173 ccw(c35.403,12.212) 35.442,12.173 cw(c35.544,12.071) 35.646,12.173 cw(c35.544,12.071) 35.646,11.969 ccw(c35.685,11.93) 35.646,11.891 35.772,11.765 ccw(c35.811,11.804) 35.85,11.765 cw(c35.952,11.663) 36.055,11.765 cw(c35.952,11.663) 36.055,11.56 ccw(c36.094,11.521) 36.055,11.482 36.181,11.356 ccw(c36.22,11.395) 36.259,11.356 cw(c36.361,11.254) 36.463,11.356 cw(c36.361,11.254) 36.463,11.152 36.424,11.113 36.355,11.044 ccw(c36.457,10.942) 36.355,10.839 ccw(c36.457,10.942) 36.559,10.839 36.573,10.853 cw(c36.628,10.798) 36.683,10.853 36.76,10.777 36.76,10.632 36.76,10.344 ccw(c36.76,10.298) 36.714,10.298 36.714,10.1 ccw(c36.76,10.1) 36.76,10.055 37.288,10.055 cw(c37.288,9.91) 37.432,9.91 cw(c37.288,9.91) 37.288,9.766 36.76,9.766 ccw(c36.76,9.72) 36.714,9.72 36.714,9.523 ccw(c36.76,9.523) 36.76,9.477 37.288,9.477 cw(c37.288,9.332) 37.432,9.332 cw(c37.288,9.332) 37.288,9.188 36.76,9.188 ccw(c36.76,9.142) 36.714,9.142 36.714,8.945 ccw(c36.76,8.945) 36.76,8.899 37.288,8.899 cw(c37.288,8.755) 37.432,8.755 cw(c37.288,8.755) 37.288,8.61 36.76,8.61 ccw(c36.76,8.565) 36.714,8.565 36.714,8.367 ccw(c36.76,8.367) 36.76,8.321 37.288,8.321 cw(c37.288,8.177) 37.432,8.177 cw(c37.288,8.177) 37.288,8.032 36.76,8.032 ccw(c36.76,7.987) 36.714,7.987 36.714,7.789 ccw(c36.76,7.789) 36.76,7.743 37.288,7.743 cw(c37.288,7.599) 37.432,7.599 cw(c37.288,7.599) 37.288,7.455 36.76,7.455 ccw(c36.76,7.409) 36.714,7.409 36.714,7.211 ccw(c36.76,7.211) 36.76,7.166 36.76,6.91 36.76,6.81 36.76,6.6 36.76,6.504 36.76,6.36 36.804,6.316 ccw(c36.906,6.418) 37.008,6.316 37.403,6.711 cw(c37.505,6.609) 37.608,6.711 cw(c37.505,6.609) 37.608,6.507 37.213,6.112 ccw(c37.315,6.01) 37.213,5.907 ccw(c37.315,6.01) 37.417,5.907 37.812,6.302 cw(c37.914,6.2) 38.016,6.302 cw(c37.914,6.2) 38.016,6.098 37.519,5.601 37.202,5.284 ccw(c37.304,5.182) 37.202,5.08 ccw(c37.304,5.182) 37.406,5.08 37.723,5.397 38.22,5.894 cw(c38.323,5.792) 38.425,5.894 cw(c38.323,5.792) 38.425,5.69 38.03,5.295 ccw(c38.132,5.192) 38.03,5.09 38.132,4.988 38.234,4.886 47.736,4.886 v1(48.4,5.55)